# KiCad board LED_Matrix_Phone_Case.kicad_pcb (continued)
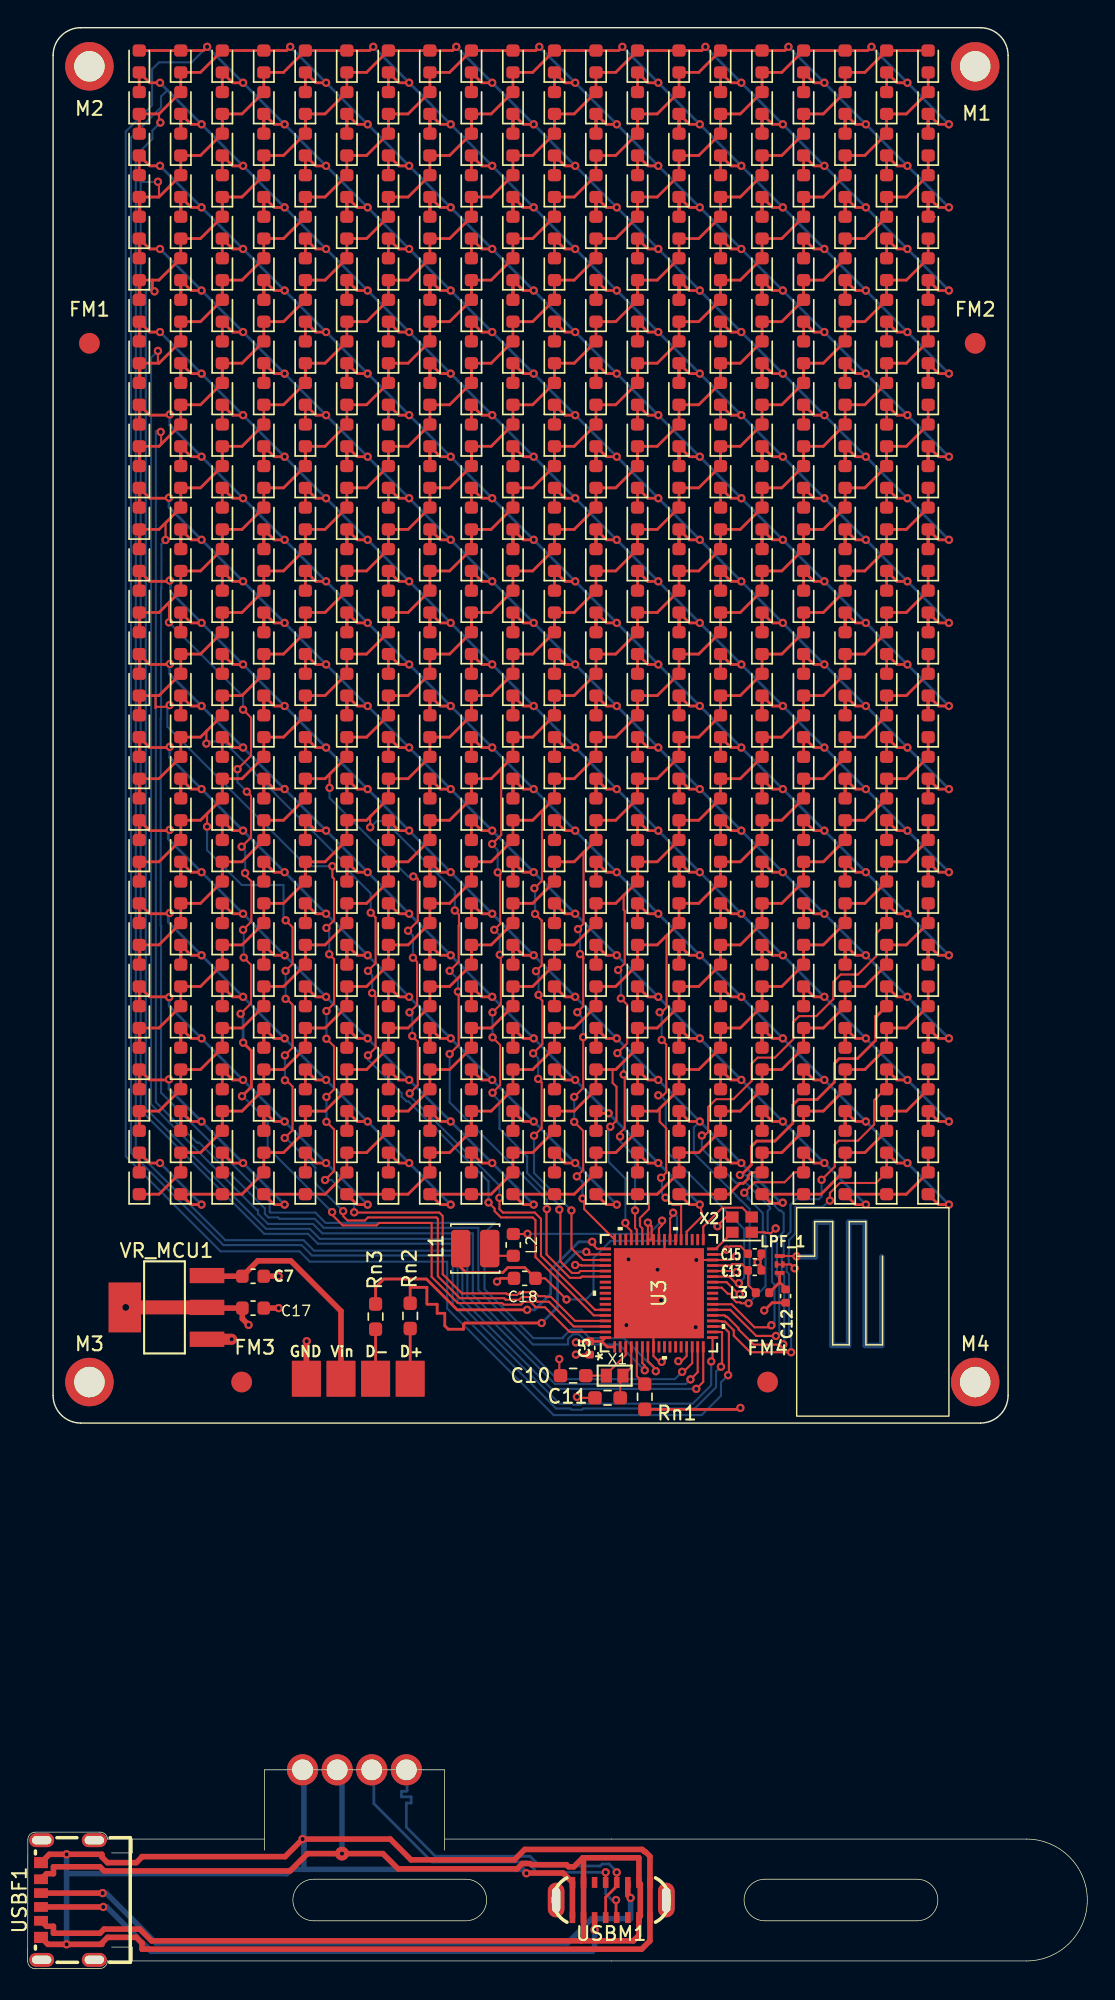
[diagram p0: board, top side]
## Routing (per net, layer and track width the routed paths; a pad name or vN(x,y) marks a point on that pad's centre or on a via; arc(x,y) is an arc through that point) (continued)
  Bottom w0.15: v1(53.73,46.46) 53.89,46.61 53.96,46.61 53.96,49.42 53.78,49.59 53.78,52.88 53.47,53.19 53.47,54.72 53.65,54.9 53.63,54.93 53.63,54.99 53.53,55.08 53.53,55.09 51.86,56.76 51.73,56.76 51.7,56.74 51.22,56.74 51.2,56.76 51.16,56.76 48.71,59.21 v1(48.71,60.16)
  Bottom w0.2: v1(66.56,73.17) v1(63.56,76.17) v1(60.56,79.17) v1(57.56,82.17) v1(54.56,85.17) v1(51.56,88.17) v1(48.56,91.17) v1(45.56,94.17) v1(42.56,97.17) v1(39.56,100.17) v1(36.56,103.17) v1(33.56,106.17) v1(30.56,109.17) v1(27.56,112.17) v1(24.56,115.17) v1(21.56,118.17) v1(18.56,121.17) v1(15.56,124.17) v1(12.56,127.17) v1(9.56,130.17)
LED_10: length 141.6
  Top w0.15: v1(39.91,73.26) 40.14,73.04 40.14,72.91 ; 40.14,72.91 40.14,73.09 39.91,73.31 ; 40.14,72.91 40.14,69.49 v1(39.71,69.06) ; v1(39.68,57.21) 40.14,57.67 40.14,60.5 v1(39.49,61.15) ; v1(40.09,55.61) 40.21,55.49 40.21,54.85 U3.51 ; v1(39.76,75.06) 40.16,75.46 40.16,80.6 40.19,80.63 ; v1(39.49,62.95) 40.14,63.6 v1(40.14,67.26)
  Top w0.2: REF**495.2 26.06,67.96 ; REF**495.2 REF**453.1 27.49,67.92 REF**454.2 REF**456.1 30.49,70.92 REF**459.2 ; REF**495.2 24.49,64.92 REF**492.1 REF**490.2 21.49,61.92 REF**489.1 REF**531.2 ; REF**387.2 REF**345.1 45.49,85.92 REF**346.2 REF**348.1 48.49,88.92 REF**351.2 ; REF**387.2 44.06,85.96 ; REF**387.2 42.49,82.92 REF**384.1 REF**382.2 39.49,79.92 REF**381.1 REF**423.2 ; REF**459.2 REF**417.1 33.49,73.92 REF**418.2 REF**420.1 36.49,76.92 REF**423.2 ; REF**459.2 32.06,73.96 ; REF**531.2 18.49,58.92 REF**528.1 REF**526.2 15.49,55.92 REF**525.1 REF**522.1 11.81,55.17 v1(12.56,55.17) ; REF**531.2 20.06,61.96 ; REF**279.2 60.49,100.92 REF**276.1 REF**274.2 57.49,97.92 REF**273.1 REF**315.2 ; REF**279.2 REF**237.1 63.49,103.92 REF**238.2 REF**240.1 ; REF**279.2 62.06,103.96 ; REF**351.2 REF**309.1 51.49,91.92 REF**310.2 REF**312.1 54.49,94.92 REF**315.2 ; REF**351.2 50.06,91.96 ; REF**315.2 56.06,97.96 ; REF**423.2 38.06,79.96 ; v1(9.56,58.17) 8.81,58.17 REF**523.1 REF**521.2
  Bottom w0.15: v1(39.68,57.21) 40.04,56.84 40.09,56.84 v1(40.09,55.61) ; 39.94,68.79 40.14,68.59 v1(40.14,67.26) ; 39.94,68.79 39.76,68.96 ; 39.94,68.79 39.94,68.84 v1(39.71,69.06) ; v1(39.91,73.26) 39.91,74.91 v1(39.76,75.06) ; v1(39.49,61.15) v1(39.49,62.95)
  Bottom w0.2: v1(9.56,58.17) v1(12.56,55.17)
LED_11: length 146.7
  Top w0.15: 36.91,70.41 v1(36.91,70.31) 36.91,70.16 37.19,69.89 37.19,66.76 v1(36.52,66.09) ; v1(36.89,64.25) 37.14,64 37.14,60.7 v1(36.59,60.15) ; v1(39.29,54.75) 39.29,52.02 40.13,51.17 U3.54 ; v1(36.66,76.16) 37.14,75.69 37.14,72.44 v1(36.72,72.03) ; 37.09,83.53 37.16,83.46 37.16,78.56 v1(36.61,78.01)
  Top w0.2: REF**239.2 REF**197.1 63.49,109.92 REF**198.2 REF**200.1 ; REF**239.2 60.49,106.92 REF**236.1 REF**234.2 57.49,103.92 REF**233.1 REF**275.2 ; REF**239.2 62.06,109.96 ; REF**311.2 REF**269.1 51.49,97.92 REF**270.2 REF**272.1 54.49,100.92 REF**275.2 ; REF**311.2 48.49,94.92 REF**308.1 REF**306.2 45.49,91.92 REF**305.1 REF**347.2 ; REF**311.2 50.06,97.96 ; REF**419.2 32.06,79.96 ; REF**419.2 REF**377.1 33.49,79.92 REF**378.2 REF**380.1 36.49,82.92 REF**383.2 ; REF**419.2 30.49,76.92 REF**416.1 REF**414.2 27.49,73.92 REF**413.1 REF**455.2 ; REF**491.2 18.49,64.92 REF**488.1 REF**486.2 15.49,61.92 REF**485.1 REF**527.2 ; REF**491.2 20.06,67.96 ; REF**491.2 REF**449.1 21.49,67.92 REF**450.2 REF**452.1 24.49,70.92 REF**455.2 ; REF**455.2 26.06,73.96 ; REF**383.2 38.06,85.96 ; REF**383.2 REF**341.1 39.49,85.92 REF**342.2 REF**344.1 42.49,88.92 REF**347.2 ; REF**275.2 56.06,103.96 ; REF**521.1 9.49,55.92 REF**522.2 REF**524.1 12.49,58.92 REF**527.2 ; REF**527.2 14.06,61.96 ; REF**347.2 44.06,91.96
  Bottom w0.15: 36.59,66.05 36.89,65.75 v1(36.89,64.25) ; v1(36.91,70.31) 36.91,71.81 36.71,72.01 ; v1(39.29,54.75) 36.59,57.45 v1(36.59,60.15) ; v1(36.61,78.01) 36.66,77.96 v1(36.66,76.16)
LED_12: length 155.3
  Top w0.15: v1(34.11,73.21) 34.19,73.14 34.19,69.65 v1(33.59,69.05) ; 34.19,86.63 34.21,86.61 34.21,81.86 v1(33.56,81.21) ; v1(38.41,54.81) 38.49,54.74 38.49,51.07 39.32,50.24 39.8,50.24 39.94,50.37 U3.56 ; v1(33.71,75.01) 34.14,75.44 34.14,78.99 v1(33.96,79.16) 33.91,79.21 ; v1(33.59,67.25) 34.14,66.7 34.14,63.8 v1(33.59,63.25)
  Top w0.2: REF**271.2 48.49,100.92 REF**268.1 REF**266.2 45.49,97.92 REF**265.1 REF**307.2 ; REF**271.2 REF**229.1 51.49,103.92 REF**230.2 REF**232.1 54.49,106.92 REF**235.2 ; REF**271.2 50.06,103.96 ; REF**235.2 56.06,109.96 ; REF**235.2 REF**193.1 57.49,109.92 REF**194.2 REF**196.1 60.49,112.92 REF**199.2 ; REF**379.2 REF**337.1 33.49,85.92 REF**338.2 REF**340.1 36.49,88.92 REF**343.2 ; REF**379.2 32.06,85.96 ; REF**379.2 30.49,82.92 REF**376.1 REF**374.2 27.49,79.92 REF**373.1 REF**415.2 ; REF**343.2 38.06,91.96 ; REF**343.2 REF**301.1 39.49,91.92 REF**302.2 REF**304.1 42.49,94.92 REF**307.2 ; REF**487.2 12.49,64.92 REF**484.1 REF**482.2 9.49,61.92 REF**481.1 REF**523.2 8.06,61.96 ; REF**487.2 REF**445.1 15.49,67.92 REF**446.2 REF**448.1 18.49,70.92 REF**451.2 ; REF**487.2 14.06,67.96 ; REF**451.2 20.06,73.96 ; REF**451.2 REF**409.1 21.49,73.92 REF**410.2 REF**412.1 24.49,76.92 REF**415.2 ; REF**199.2 62.06,115.96 ; REF**199.2 REF**157.1 63.49,115.92 REF**158.2 REF**160.1 ; REF**415.2 26.06,79.96 ; REF**307.2 44.06,97.96
  Bottom w0.15: v1(33.59,67.25) v1(33.59,69.05) ; v1(33.96,79.16) 33.96,80.76 33.51,81.21 ; v1(33.71,75.01) 34.11,74.61 v1(34.11,73.21) ; 33.59,63.15 34.09,62.65 34.09,60.65 36.09,58.65 36.09,57.45 38.41,55.13 v1(38.41,54.81)
LED_13: length 156.8
  Top w0.15: U3.57 40.03,49.97 39.95,49.88 39.18,49.88 37.49,51.58 37.49,54.85 ; v1(30.49,72.05) 31.14,72.7 31.14,75.3 31.16,75.32 31.16,76.11 v1(30.86,76.41) ; v1(31.09,70.55) 31.14,70.5 31.14,66.7 v1(30.49,66.05) ; 24.82,83.25 24.75,83.18 v1(24.75,82.42)
  Top w0.2: 8.06,67.96 REF**483.2 REF**441.1 9.49,67.92 REF**442.2 REF**444.1 12.49,70.92 REF**447.2 ; REF**411.2 18.49,76.92 REF**408.1 REF**406.2 15.49,73.92 REF**405.1 REF**447.2 ; REF**411.2 REF**369.1 21.49,79.92 REF**370.2 REF**372.1 24.49,82.92 REF**375.2 ; REF**411.2 20.06,79.96 ; REF**447.2 14.06,73.96 ; REF**339.2 32.06,91.96 ; REF**339.2 REF**297.1 33.49,91.92 REF**298.2 REF**300.1 36.49,94.92 REF**303.2 ; REF**339.2 30.49,88.92 REF**336.1 REF**334.2 27.49,85.92 REF**333.1 REF**375.2 ; REF**267.2 42.49,100.92 REF**264.1 REF**262.2 39.49,97.92 REF**261.1 REF**303.2 ; REF**267.2 44.06,103.96 ; REF**267.2 REF**225.1 45.49,103.92 REF**226.2 REF**228.1 48.49,106.92 REF**231.2 ; REF**195.2 56.06,115.96 ; REF**195.2 54.49,112.92 REF**192.1 REF**190.2 51.49,109.92 REF**189.1 REF**231.2 ; REF**195.2 REF**153.1 57.49,115.92 REF**154.2 REF**156.1 60.49,118.92 REF**159.2 ; REF**375.2 26.06,85.96 ; REF**120.1 REF**118.2 63.49,121.92 REF**117.1 REF**159.2 ; REF**303.2 38.06,97.96 ; REF**231.2 50.06,109.96 ; REF**159.2 62.06,121.96
  Bottom w0.15: v1(30.49,66.05) 30.49,62.56 37.51,55.54 v1(37.51,54.85) ; v1(31.09,70.55) 31.09,71.45 v1(30.49,72.05) ; 24.76,82.41 25.21,82.86 25.81,82.86 30.86,77.81 v1(30.86,76.41)
LED_14: length 150.9
  Top w0.15: U3.38 47.61,53.22 47.62,53.22 48.71,54.31 48.71,54.6 48.66,54.6 48.66,55.07 v1(48.56,55.17) 48.41,55.02
  Top w0.2: v1(27.56,76.17) 26.81,76.17 REF**415.1 REF**413.2 ; REF**544.2 41.06,61.96 REF**544.2 ; REF**544.2 REF**502.1 41.22,61.77 v1(41.97,61.77) ; REF**519.2 62.06,67.96 ; REF**519.2 REF**477.1 63.49,67.92 REF**478.2 REF**480.1 ; REF**519.2 60.49,64.92 REF**516.1 REF**514.2 57.49,61.92 REF**513.1 REF**555.2 ; REF**324.2 11.06,91.96 REF**324.2 ; REF**324.2 REF**282.1 11.81,91.17 v1(12.56,91.17) ; REF**412.2 23.06,79.96 REF**412.2 ; REF**412.2 REF**370.1 23.81,79.17 v1(24.56,79.17) ; v1(36.56,67.17) 35.81,67.17 REF**458.1 REF**500.2 ; REF**555.2 56.06,61.96 ; REF**555.2 54.49,58.92 REF**552.1 REF**550.2 52.3,57.5 52.06,57.26 52.06,57.06 51.71,56.71 51.46,56.71 50.67,55.92 REF**549.1 REF**546.1 47.81,55.17 v1(48.56,55.17) ; REF**325.2 REF**327.1 14.81,88.17 v1(15.56,88.17) ; REF**368.2 17.06,85.96 REF**368.2 ; REF**368.2 REF**326.1 17.81,85.17 v1(18.56,85.17) ; v1(39.56,64.17) 38.81,64.17 REF**503.1 REF**501.2 ; REF**500.2 35.06,67.96 REF**500.2 ; REF**456.2 REF**414.1 29.81,73.17 v1(30.56,73.17) ; REF**456.2 29.06,73.96 REF**456.2 ; v1(45.56,58.17) 44.81,58.17 REF**547.1 REF**545.2 ; REF**457.2 REF**459.1 32.81,70.17 v1(33.56,70.17) ; REF**281.2 REF**283.1 8.81,94.17 9.99,94.17 10.03,94.21 v1(10.28,94.21) ; v1(21.56,82.17) 20.81,82.17 REF**371.1 REF**369.2
  Bottom w0.2: v1(48.56,55.17) v1(45.56,58.17) v1(41.97,61.77) v1(39.56,64.17) v1(36.56,67.17) v1(33.56,70.17) v1(30.56,73.17) v1(27.56,76.17) v1(24.56,79.17) v1(21.56,82.17) v1(18.56,85.17) v1(15.56,88.17) v1(12.56,91.17) 10.26,93.47 10.26,94.2 v1(10.28,94.21)
LED_15: length 146.7
  Top w0.15: 45.64,62.08 45.66,62.06 45.66,61.16 46.14,60.69 46.14,57.49 v1(45.76,57.11) ; U3.39 47.21,55.16 46.6,55.16 v1(46.09,55.68)
  Top w0.2: REF**511.2 50.06,67.96 ; REF**511.2 48.49,64.92 REF**508.1 REF**506.2 45.49,61.92 REF**505.1 REF**547.2 ; REF**511.2 REF**469.1 51.49,67.92 REF**470.2 REF**472.1 54.49,70.92 REF**475.2 ; REF**439.2 60.49,76.92 REF**436.1 REF**434.2 57.49,73.92 REF**433.1 REF**475.2 ; REF**439.2 62.06,79.96 ; REF**439.2 REF**397.1 63.49,79.92 REF**398.2 REF**400.1 ; v1(24.56,67.17) 23.81,67.17 REF**450.1 REF**492.2 ; REF**361.2 REF**363.1 8.81,82.17 10.12,82.17 10.18,82.23 v1(10.26,82.23) ; REF**492.2 23.06,67.96 REF**492.2 ; v1(18.56,73.17) 17.81,73.17 REF**406.1 REF**448.2 ; REF**547.2 42.49,58.92 REF**544.1 REF**542.2 39.49,55.92 REF**541.1 REF**538.1 35.81,55.17 v1(36.56,55.17) ; REF**547.2 44.06,61.96 ; REF**536.2 29.06,61.96 REF**536.2 ; REF**536.2 REF**494.1 29.81,61.17 v1(30.56,61.17) ; v1(27.56,64.17) 26.81,64.17 REF**495.1 REF**493.2 ; v1(21.56,70.17) 20.81,70.17 REF**451.1 REF**449.2 ; REF**475.2 56.06,73.96 ; REF**537.2 REF**539.1 32.81,58.17 v1(33.56,58.17) ; REF**448.2 17.06,73.96 REF**448.2 ; REF**405.2 REF**407.1 14.81,76.17 v1(15.56,76.17) ; REF**404.2 11.06,79.96 REF**404.2 ; REF**404.2 REF**362.1 11.81,79.17 v1(12.56,79.17)
  Bottom w0.15: v1(45.76,57.11) 45.83,57.04 45.83,55.93 v1(46.09,55.68)
  Bottom w0.2: v1(36.56,55.17) v1(33.56,58.17) v1(30.56,61.17) v1(27.56,64.17) v1(24.56,67.17) v1(21.56,70.17) v1(18.56,73.17) v1(15.56,76.17) v1(12.56,79.17) 10.16,81.57 10.16,82.13 v1(10.26,82.23)
LED_16: length 178.7
  Top w0.15: v1(51.78,56.03) 52.53,56.79 54.69,56.79 55.4,57.5 REF**553.2 ; v1(52.09,48.05) 51.54,48.05 51.46,48.12 51.2,48.12 50.86,48.46 50.86,48.71 50.84,48.73 50.59,48.73 50.14,49.17 U3.27
  Top w0.2: REF**332.2 23.06,91.96 REF**332.2 ; REF**332.2 REF**290.1 23.81,91.17 v1(24.56,91.17) ; REF**288.2 REF**246.1 17.81,97.17 v1(18.56,97.17) ; REF**288.2 17.06,97.96 REF**288.2 ; REF**244.2 11.06,103.96 REF**244.2 ; REF**244.2 REF**202.1 11.81,103.17 v1(12.56,103.17) ; REF**508.2 REF**466.1 47.81,67.17 v1(48.56,67.17) ; REF**508.2 47.06,67.96 REF**508.2 ; v1(57.56,58.17) 56.81,58.17 REF**555.1 REF**553.2 ; REF**245.2 REF**247.1 14.81,100.17 v1(15.56,100.17) ; v1(21.56,94.17) 20.81,94.17 REF**291.1 REF**289.2 ; v1(33.56,82.17) 32.81,82.17 REF**379.1 REF**377.2 ; REF**201.2 REF**203.1 8.81,106.17 10.17,106.17 v1(10.21,106.21) ; REF**465.2 REF**467.1 44.81,70.17 v1(45.56,70.17) ; v1(42.56,73.17) 41.81,73.17 REF**422.1 REF**464.2 ; v1(39.56,76.17) 38.81,76.17 REF**423.1 REF**421.2 ; REF**509.2 REF**511.1 50.81,64.17 v1(51.56,64.17) ; v1(27.56,88.17) 26.81,88.17 REF**335.1 REF**333.2 ; REF**464.2 41.06,73.96 REF**464.2 ; v1(36.56,79.17) 35.81,79.17 REF**378.1 REF**420.2 ; REF**420.2 35.06,79.96 REF**420.2 ; REF**552.2 REF**510.1 53.81,61.17 v1(54.56,61.17) ; REF**552.2 53.06,61.96 REF**552.2 ; REF**376.2 REF**334.1 29.81,85.17 v1(30.56,85.17) ; REF**376.2 29.06,85.96 REF**376.2 ; v1(60.56,55.17) 59.81,55.17 REF**554.1 REF**#5.1 63.49,55.92 REF**#4.2 REF**#2.1
  Bottom w0.15: 52.01,55.56 52.01,55.8 v1(51.78,56.03) 51.9,55.91 51.9,55.84 52.11,55.64 52.11,55.56 53.11,54.56 53.11,53.06 53.31,52.86 53.31,49.27 v1(52.09,48.05)
  Bottom w0.2: v1(10.21,106.21) 10.21,105.52 v1(12.56,103.17) v1(15.56,100.17) v1(18.56,97.17) v1(21.56,94.17) v1(24.56,91.17) v1(27.56,88.17) v1(30.56,85.17) v1(33.56,82.17) v1(36.56,79.17) v1(39.56,76.17) v1(42.56,73.17) v1(45.56,70.17) v1(48.56,67.17) v1(51.56,64.17) v1(54.56,61.17) v1(57.56,58.17) v1(60.56,55.17)
LED_17: length 163.5
  Top w0.15: v1(27.49,74.95) 28.19,75.65 28.19,78.69 28.06,78.81 27.86,78.81 ; U3.63 40.99,47.57 37.09,51.48 37.09,54.15 36.64,54.6 34.34,54.6 34.09,54.85 v1(34.09,55.66) 34,55.66 ; v1(27.79,67.35) 28.19,66.95 28.19,63.79 v1(27.6,63.2) ; v1(27.59,69.05) 28.14,69.6 28.14,72.7 v1(27.84,73) 27.79,73.05 ; 21.87,86.3 21.81,86.25 v1(21.81,85.26)
  Top w0.2: REF**407.2 12.49,76.92 REF**404.1 REF**402.2 9.49,73.92 REF**401.1 REF**443.2 8.06,73.96 ; REF**407.2 REF**365.1 15.49,79.92 REF**366.2 REF**368.1 18.49,82.92 REF**371.2 ; REF**407.2 14.06,79.96 ; REF**155.2 56.06,121.96 ; REF**155.2 54.49,118.92 REF**152.1 REF**150.2 51.49,115.92 REF**149.1 REF**191.2 ; REF**155.2 REF**113.1 57.49,121.92 REF**114.2 REF**116.1 60.49,124.92 REF**119.2 ; REF**227.2 42.49,106.92 REF**224.1 REF**222.2 39.49,103.92 REF**221.1 REF**263.2 ; REF**227.2 REF**185.1 45.49,109.92 REF**186.2 REF**188.1 48.49,112.92 REF**191.2 ; REF**227.2 44.06,109.96 ; REF**191.2 50.06,115.96 ; REF**119.2 REF**77.1 63.49,127.92 REF**78.2 REF**80.1 ; REF**119.2 62.06,127.96 ; REF**335.2 26.06,91.96 ; REF**335.2 REF**293.1 27.49,91.92 REF**294.2 REF**296.1 30.49,94.92 REF**299.2 ; REF**335.2 24.49,88.92 REF**332.1 REF**330.2 21.49,85.92 REF**329.1 REF**371.2 ; REF**299.2 32.06,97.96 ; REF**299.2 REF**257.1 33.49,97.92 REF**258.2 REF**260.1 36.49,100.92 REF**263.2 ; REF**263.2 38.06,103.96 ; REF**371.2 20.06,85.96
  Bottom w0.15: v1(21.81,85.26) 21.81,84.54 27.49,78.86 v1(27.86,78.86) ; 27.39,75.05 v1(27.49,74.95) 27.84,74.6 v1(27.84,73) ; v1(34.09,55.66) 34.09,56.55 27.69,62.95 27.69,63.15 27.59,63.25 ; v1(27.59,69.05) 27.79,68.85 v1(27.79,67.35)
LED_18: length 165.5
  Top w0.15: v1(24.89,70.45) 25.14,70.2 25.14,66.5 v1(24.59,65.95) ; 12.94,89.38 12.91,89.35 v1(12.91,88.46) ; U3.64 40.89,47.17 36.69,51.38 36.69,54.05 36.49,54.25 34.19,54.25 33.74,54.7 33.74,54.88 v1(33.3,55.32) ; v1(24.59,72.05) 25.14,72.6 25.14,75.9 v1(24.79,76.25)
  Top w0.2: REF**327.2 12.49,88.92 REF**324.1 REF**322.2 9.49,85.92 REF**321.1 REF**363.2 8.06,85.96 ; REF**327.2 14.06,91.96 ; REF**327.2 REF**285.1 15.49,91.92 REF**286.2 REF**288.1 18.49,94.92 REF**291.2 ; REF**111.2 50.06,127.96 ; REF**111.2 48.49,124.92 REF**108.1 REF**106.2 45.49,121.92 REF**105.1 REF**147.2 ; REF**111.2 REF**69.1 51.49,127.92 REF**70.2 REF**72.1 54.49,130.92 REF**75.2 ; REF**291.2 20.06,97.96 ; REF**291.2 REF**249.1 21.49,97.92 REF**250.2 REF**252.1 24.49,100.92 REF**255.2 ; REF**147.2 42.49,118.92 REF**144.1 REF**142.2 39.49,115.92 REF**141.1 REF**183.2 ; REF**147.2 44.06,121.96 ; REF**219.2 30.49,106.92 REF**216.1 REF**214.2 27.49,103.92 REF**213.1 REF**255.2 ; REF**219.2 32.06,109.96 ; REF**219.2 REF**177.1 33.49,109.92 REF**178.2 REF**180.1 36.49,112.92 REF**183.2 ; REF**183.2 38.06,115.96 ; REF**75.2 56.06,133.96 ; REF**75.2 REF**33.1 57.49,133.92 REF**34.2 REF**36.1 60.49,136.92 REF**39.2 REF**40.2 ; REF**255.2 26.06,103.96
  Bottom w0.15: v1(24.59,65.95) 24.59,65.65 27.03,63.21 27.03,62.96 27.36,62.63 27.51,62.63 33.29,56.85 33.29,56.85 33.3,56.84 v1(33.3,55.32) ; v1(24.89,70.45) 24.89,71.75 v1(24.59,72.05) ; v1(24.79,76.25) 24.79,77.65 23.16,79.27 23.16,79.56 16.41,86.31 16.41,86.36 14.16,88.61 13.11,88.61 12.96,88.46 v1(12.91,88.46)
LED_19: length 186.8
  Top w0.15: v1(21.49,56.95) 22.14,57.6 22.14,60.6 v1(21.59,61.15) ; v1(21.79,73.25) 22.14,72.9 22.14,69.7 v1(21.59,69.15) ; v1(23.59,54.62) 23.61,54.6 29.74,54.6 29.99,54.35 29.99,50.15 31.37,48.76 34.57,48.76 34.62,48.71 34.7,48.71 34.76,48.65 35.36,48.65 35.56,48.85 36.62,48.85 36.91,48.56 37.39,48.56 37.44,48.51 37.81,48.51 39.55,46.77 U3.65 ; 9.26,91.92 9.24,91.9 9.24,91.04 9.31,91.11 10.13,91.11 v1(10.26,91.24) ; v1(22.02,79.61) 22.02,78.82 22.14,78.7 22.14,75.7 v1(21.59,75.15) ; v1(21.59,67.15) 22.14,66.6 22.14,63.5 v1(21.59,62.95)
  Top w0.2: REF**71.2 REF**29.1 51.49,133.92 REF**30.2 REF**32.1 54.49,136.92 REF**35.2 REF**36.2 60.7,138.5 v1(60.97,138.77) ; REF**71.2 50.06,133.96 ; REF**71.2 48.49,130.92 REF**68.1 REF**66.2 45.49,127.92 REF**65.1 REF**107.2 ; REF**143.2 36.49,118.92 REF**140.1 REF**138.2 33.49,115.92 REF**137.1 REF**179.2 ; REF**143.2 REF**101.1 39.49,121.92 REF**102.2 REF**104.1 42.49,124.92 REF**107.2 ; REF**143.2 38.06,121.96 ; REF**80.2 REF**38.1 65.81,133.17 v1(66.56,133.17) ; REF**80.2 65.06,133.96 REF**80.2 ; v1(63.56,136.17) 62.81,136.17 REF**39.1 REF**37.2 ; REF**215.2 26.06,109.96 ; REF**215.2 24.49,106.92 REF**212.1 REF**210.2 21.49,103.92 REF**209.1 REF**251.2 ; REF**215.2 REF**173.1 27.49,109.92 REF**174.2 REF**176.1 30.49,112.92 REF**179.2 ; REF**179.2 32.06,115.96 ; REF**287.2 14.06,97.96 ; REF**287.2 REF**245.1 15.49,97.92 REF**246.2 REF**248.1 18.49,100.92 REF**251.2 ; REF**287.2 12.49,94.92 REF**284.1 REF**282.2 9.49,91.92 REF**281.1 REF**323.2 8.06,91.96 ; REF**107.2 44.06,127.96 ; REF**251.2 20.06,103.96
  Bottom w0.15: v1(22.02,79.61) 20.17,79.61 10.09,89.68 10.09,91.07 v1(10.26,91.24) ; v1(21.79,73.25) 21.79,74.85 21.69,74.95 21.69,75.05 v1(21.59,75.15) ; v1(21.59,61.15) v1(21.59,62.95) ; v1(23.59,54.62) 23.59,55.33 21.97,56.95 v1(21.49,56.95) ; v1(21.59,67.15) v1(21.59,69.15)
  Bottom w0.2: v1(66.56,133.17) v1(63.56,136.17) v1(60.97,138.77)
LED_20: length 173.9
  Top w0.15: U3.66 39.45,46.37 37.66,48.16 36.81,48.16 36.47,48.5 35.7,48.5 35.5,48.3 34.54,48.3 34.43,48.41 31.23,48.41 29.64,50 29.64,54.15 29.54,54.25 24.59,54.25 24.36,54.02 23.11,54.02 22.79,54.34 v1(22.79,54.7) ; v1(18.57,59.98) 19.14,60.55 19.14,63.7 18.69,64.15 ; v1(18.59,65.95) 19.14,66.5 19.14,69.6 18.69,70.05 ; 18.59,75.75 v1(18.64,75.7) 19.14,75.2 19.14,72.55 v1(18.63,72.05) ; 12.99,83.43 12.96,83.4 v1(12.96,82.46)
  Top w0.2: REF**40.1 REF**38.2 63.49,133.92 REF**37.1 REF**79.2 ; REF**79.2 62.06,133.96 ; REF**79.2 60.49,130.92 REF**76.1 REF**74.2 57.49,127.92 REF**73.1 REF**115.2 ; REF**367.2 12.49,82.92 REF**364.1 REF**362.2 9.49,79.92 REF**361.1 REF**403.2 8.06,79.96 ; REF**367.2 REF**325.1 15.49,85.92 REF**326.2 REF**328.1 18.49,88.92 REF**331.2 ; REF**367.2 14.06,85.96 ; REF**295.2 24.49,94.92 REF**292.1 REF**290.2 21.49,91.92 REF**289.1 REF**331.2 ; REF**295.2 REF**253.1 27.49,97.92 REF**254.2 REF**256.1 30.49,100.92 REF**259.2 ; REF**295.2 26.06,97.96 ; REF**259.2 32.06,103.96 ; REF**259.2 REF**217.1 33.49,103.92 REF**218.2 REF**220.1 36.49,106.92 REF**223.2 ; REF**331.2 20.06,91.96 ; REF**151.2 REF**109.1 51.49,121.92 REF**110.2 REF**112.1 54.49,124.92 REF**115.2 ; REF**151.2 48.49,118.92 REF**148.1 REF**146.2 45.49,115.92 REF**145.1 REF**187.2 ; REF**151.2 50.06,121.96 ; REF**115.2 56.06,127.96 ; REF**187.2 44.06,115.96 ; REF**187.2 42.49,112.92 REF**184.1 REF**182.2 39.49,109.92 REF**181.1 REF**223.2 ; REF**223.2 38.06,109.96
  Bottom w0.15: v1(18.63,70.03) v1(18.63,72.05) 18.63,72.1 ; v1(22.79,54.7) 20.79,56.71 20.79,57.85 18.69,59.95 18.59,59.95 ; v1(12.96,82.46) 12.96,80.76 15.47,78.25 18.49,78.25 18.49,75.85 v1(18.64,75.7) ; v1(18.59,64.15) v1(18.59,65.95)
LED_21: length 200.2
  Top w0.15: 15.81,85.01 v1(15.84,84.99) 16.14,84.69 16.14,81.69 v1(15.46,81.01) ; v1(15.61,73.01) 16.14,72.49 16.14,69.7 v1(15.38,68.95) ; v1(22,54.63) 22.02,54.61 22.02,54.42 22.76,53.67 25.21,53.67 25.39,53.85 29.19,53.85 29.19,49.96 31.08,48.06 34.28,48.06 34.39,47.95 35.65,47.95 35.85,48.15 36.32,48.15 36.66,47.81 36.66,47.76 37.37,47.76 39.16,45.97 U3.67 ; v1(15.56,75.01) 16.16,75.61 16.16,78.51 15.71,78.96 v1(15.71,79.11) ; 65.55,126.5 REF**120.2 ; v1(10.21,97.21) 10.21,98.65 10.24,98.68 ; v1(15.56,90.91) 16.14,90.34 16.14,87.59 v1(15.16,86.61)
  Top w0.2: REF**67.2 42.49,130.92 REF**64.1 REF**62.2 39.49,127.92 REF**61.1 REF**103.2 ; REF**67.2 44.06,133.96 ; REF**67.2 REF**25.1 45.49,133.92 REF**26.2 REF**28.1 48.49,136.92 REF**31.2 REF**32.2 54.7,138.5 v1(54.97,138.77) ; REF**33.2 REF**35.1 56.81,136.17 v1(57.56,136.17) ; REF**247.2 14.06,103.96 ; REF**247.2 REF**205.1 15.49,103.92 REF**206.2 REF**208.1 18.49,106.92 REF**211.2 ; REF**247.2 12.49,100.92 REF**244.1 REF**242.2 9.49,97.92 REF**241.1 REF**283.2 8.06,97.96 ; REF**175.2 REF**133.1 27.49,115.92 REF**134.2 REF**136.1 30.49,118.92 REF**139.2 ; REF**175.2 26.06,115.96 ; REF**175.2 24.49,112.92 REF**172.1 REF**170.2 21.49,109.92 REF**169.1 REF**211.2 ; REF**211.2 20.06,109.96 ; REF**120.2 65.06,127.96 REF**120.2 ; REF**120.2 65.07,126.51 ; REF**120.2 REF**78.1 65.81,127.17 v1(66.56,127.17) ; REF**139.2 32.06,121.96 ; REF**139.2 REF**97.1 33.49,121.92 REF**98.2 REF**100.1 36.49,124.92 REF**103.2 ; 15.54,66.9 v1(15.57,66.87) 16.16,66.27 16.16,63.67 v1(15.49,63) ; REF**77.2 REF**79.1 62.81,130.17 v1(63.56,130.17) ; REF**76.2 REF**34.1 59.81,133.17 v1(60.56,133.17) ; REF**76.2 59.06,133.96 REF**76.2 ; REF**103.2 38.06,127.96
  Bottom w0.15: v1(10.21,97.21) 15.56,91.86 v1(15.56,90.91) ; v1(22,54.63) 17.34,59.29 17.34,61.2 15.54,63 ; v1(15.84,84.99) 15.16,85.66 v1(15.16,86.61) ; v1(15.46,81.01) 15.71,80.76 v1(15.71,79.11) ; v1(15.56,75.01) 15.61,74.96 v1(15.61,73.01)
  Bottom w0.2: 15.26,68.91 15.57,68.6 v1(15.57,66.87) ; v1(54.97,138.77) v1(57.56,136.17) v1(60.56,133.17) v1(63.56,130.17) v1(66.56,127.17)
LED_22: length 232.8
  Top w0.15: v1(44.59,43.21) 44.59,43.55 44.41,43.72 U3.6 ; v1(9.61,110.96) 9.64,110.93 9.64,110.08
  Top w0.2: REF**156.2 59.06,121.96 REF**156.2 ; REF**156.2 REF**114.1 59.81,121.17 v1(60.56,121.17) ; v1(66.56,115.17) 65.81,115.17 REF**158.1 REF**200.2 ; v1(57.56,124.17) 56.81,124.17 REF**115.1 REF**113.2 ; REF**157.2 REF**159.1 62.81,118.17 v1(63.56,118.17) ; REF**95.2 26.06,127.96 ; REF**95.2 24.49,124.92 REF**92.1 REF**90.2 21.49,121.92 REF**89.1 REF**131.2 ; REF**95.2 REF**53.1 27.49,127.92 REF**54.2 REF**56.1 30.49,130.92 REF**59.2 ; v1(51.56,130.17) 50.81,130.17 REF**71.1 REF**69.2 ; REF**112.2 53.06,127.96 REF**112.2 ; REF**112.2 REF**70.1 53.81,127.17 v1(54.56,127.17) ; REF**200.2 65.06,115.96 REF**200.2 ; REF**25.2 REF**27.1 44.81,136.17 v1(45.56,136.17) ; REF**59.2 REF**17.1 33.49,133.92 REF**18.2 REF**20.1 36.49,136.92 REF**23.2 REF**24.2 42.7,138.5 v1(42.97,138.77) ; REF**59.2 32.06,133.96 ; 8.06,109.96 REF**203.2 REF**161.1 9.49,109.92 REF**162.2 REF**164.1 12.49,112.92 REF**167.2 ; REF**68.2 47.06,133.96 REF**68.2 ; REF**68.2 REF**26.1 47.81,133.17 v1(48.56,133.17) ; REF**131.2 18.49,118.92 REF**128.1 REF**126.2 15.49,115.92 REF**125.1 REF**167.2 ; REF**131.2 20.06,121.96 ; REF**167.2 14.06,115.96
  Bottom w0.15: 9.61,111.01 9.26,111.01 9.26,62.57 11.03,60.8 11.09,60.8 12.24,59.65 12.39,59.65 17.14,54.9 17.14,54.5 17.39,54.25 18.09,54.25 18.19,54.15 20.74,54.15 21.39,53.5 32.56,53.5 32.56,49.01 36.5,45.07 39.04,45.07 39.04,45.46 39.37,45.8 39.85,45.8 40.19,45.46 40.19,45.07 42.72,45.07 v1(44.59,43.21)
  Bottom w0.2: v1(66.56,115.17) v1(63.56,118.17) v1(60.56,121.17) v1(57.56,124.17) v1(54.56,127.17) v1(51.56,130.17) v1(48.56,133.17) v1(45.56,136.17) v1(42.97,138.77)
LED_23: length 220.2
  Top w0.15: v1(9.96,103.16) 9.96,104.4 10.02,104.45 ; v1(45.38,43.14) 45.38,43.3 44.81,43.87 U3.7
  Top w0.2: REF**116.2 REF**74.1 59.81,127.17 v1(60.56,127.17) ; REF**116.2 59.06,127.96 REF**116.2 ; REF**135.2 26.06,121.96 ; REF**135.2 REF**93.1 27.49,121.92 REF**94.2 REF**96.1 30.49,124.92 REF**99.2 ; REF**135.2 24.49,118.92 REF**132.1 REF**130.2 21.49,115.92 REF**129.1 REF**171.2 ; REF**99.2 32.06,127.96 ; REF**99.2 REF**57.1 33.49,127.92 REF**58.2 REF**60.1 36.49,130.92 REF**63.2 ; REF**171.2 18.49,112.92 REF**168.1 REF**166.2 15.49,109.92 REF**165.1 REF**207.2 ; REF**171.2 20.06,115.96 ; REF**63.2 38.06,133.96 ; REF**63.2 REF**21.1 39.49,133.92 REF**22.2 REF**24.1 42.49,136.92 REF**27.2 REF**28.2 48.7,138.5 v1(48.97,138.77) ; REF**207.2 14.06,109.96 ; REF**207.2 12.49,106.92 REF**204.1 REF**202.2 9.49,103.92 REF**201.1 REF**243.2 8.06,103.96 ; REF**160.2 65.06,121.96 REF**160.2 ; REF**160.2 REF**118.1 65.81,121.17 v1(66.56,121.17) ; v1(51.56,136.17) 50.81,136.17 REF**31.1 REF**29.2 ; REF**73.2 REF**75.1 56.81,130.17 v1(57.56,130.17) ; v1(63.56,124.17) 62.81,124.17 REF**119.1 REF**117.2 ; REF**72.2 53.06,133.96 REF**72.2 ; REF**72.2 REF**30.1 53.81,133.17 v1(54.56,133.17)
  Bottom w0.15: v1(9.96,103.16) 9.66,102.86 9.66,99.71 9.64,99.69 9.64,90.29 9.61,90.26 9.61,90.26 9.61,75.31 9.66,75.26 9.64,75.24 9.64,63.25 17.49,55.4 17.49,54.65 17.54,54.6 20.78,54.6 21.53,53.85 33.73,53.85 33.01,53.13 33.01,49.06 36.54,45.52 38.68,45.52 38.68,45.6 39.23,46.15 40,46.15 40.54,45.6 40.54,45.52 43.08,45.52 45.38,43.22 v1(45.38,43.14)
  Bottom w0.2: v1(48.97,138.77) v1(51.56,136.17) v1(54.56,133.17) v1(57.56,130.17) v1(60.56,127.17) v1(63.56,124.17) v1(66.56,121.17)
